# KiCad board polygonus.kicad_pcb (continued)
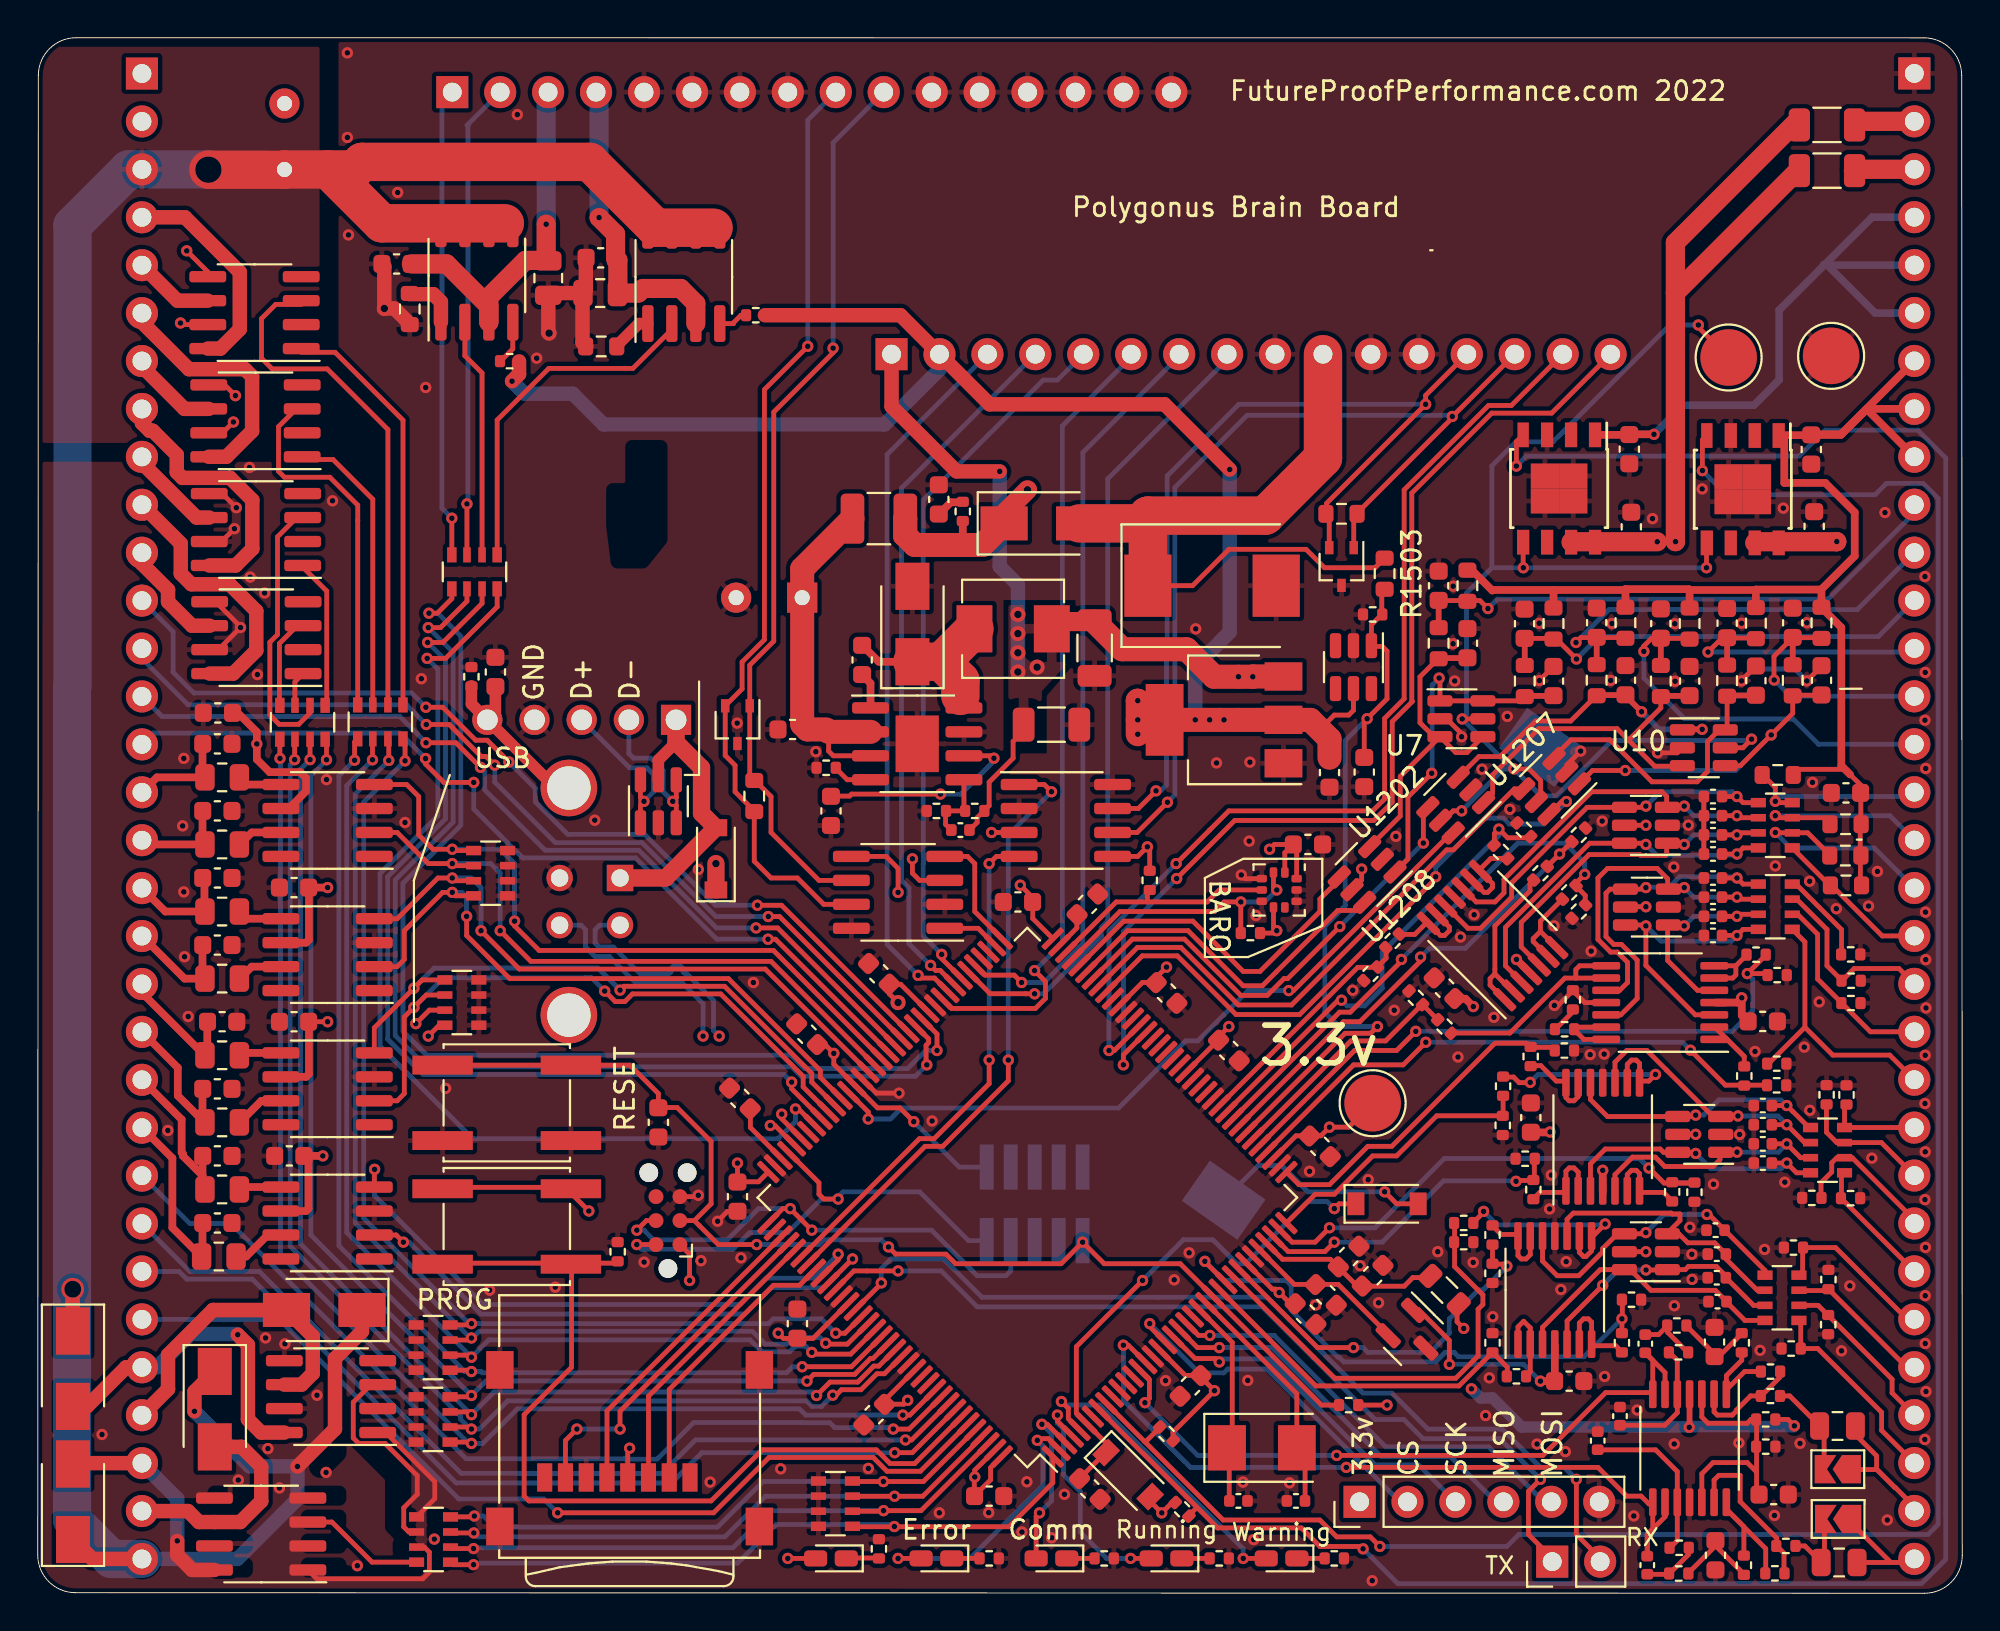
[diagram p0: board, top side]
## Routing (per net, layer and track width the routed paths; a pad name or vN(x,y) marks a point on that pad's centre or on a via; arc(x,y) is an arc through that point) (continued)
/mcu/AV9: length 29.9
  Top w0.254: 91.64,26.93 89.42,26.93 v1(87.57,28.79) ; U1501.40 69.72,28.01 72.35,28.01 v1(73.55,29.21)
  Bottom w0.254: v1(73.55,29.21) 87.15,29.21 v1(87.57,28.79)
/mcu/AV10: length 33.7
  Top w0.254: 91.54,33.85 91.54,33.8 v1(90.58,32.85) 91.6,32.85 91.68,32.77 ; v1(73.02,29.79) 72,28.77 69.78,28.77 U1501.41
  Bottom w0.254: v1(73.02,29.79) 89.78,29.79 90.87,30.87 90.87,32.56 v1(90.58,32.85)
/mcu/AV11: length 13.1
  Top w0.254: 74.2,30.38 73.36,31.22 71.42,29.28 69.58,29.28 U1501.42
/mcu/VDDA: length 9.9
  Top w0.254: U1501.33 65.96,17.7 68.49,17.7 69.92,16.28 72.4,16.28 72.86,16.73 73.88,16.73
GND: length 51.1
  Top w0.254: C1406.2 90.28,48.39 v1(90.28,48.36) ; U1501.94 43.67,27.28 44.44,26.51 v1(45.64,26.51) ; U202.5 9.9,64.05 v1(10.47,63.48) ; v1(85.83,44.55) 86.87,44.55 U10.2 ; U302.7 9.57,50.02 v1(10.74,51.19) 10.74,51.24 9.42,52.56 U302.5 ; U1207.2 81.02,43.91 v1(81.75,44.64) ; v1(10.42,56.43) 9.74,55.75 U301.7 ; U301.5 9.77,58.29 v1(10.52,57.54) ; U202.7 9.79,61.51 v1(10.37,62.09) ; v1(35,21.1) 34.93,21.02 J4.5 ; C1404.2 94.51,49.14 v1(93.74,48.36) ; 37.08,20.24 36.54,20.24 v1(36.02,19.72) ; v1(63.77,38.08) 63.97,37.88 U9.3 ; U201.7 7.65,67.25 v1(7.56,67.33) ; 88.28,42.23 88.28,39.19 ; 84.93,15.56 85.1,15.4 ; v1(80.36,31.16) 80.56,31.16 81.34,31.94 81.97,31.31 83.02,31.31 ; C1408.2 v1(79.56,48.38) ; v1(7.89,71.16) 9.01,70.04 U201.5 ; U7.2 74.65,46.35 75.45,45.56 v1(75.45,45.4)
  Top w0.762: 18.22,70.47 18.36,70.33 v2(18.36,68.1) 18.89,68.1 19.71,67.29 ; 28.86,68.92 28.86,66.29 29.07,66.09 ; 28.86,68.92 29.04,69.1 29.04,70.79 ; 28.86,68.92 27.2,68.92 27.05,68.78 27.05,66.84 v2(27.09,66.79)
  Bottom w0.254: J1502.9 55.36,22.55 ; 51.55,22.59 51.55,22.55 ; J1502.5 52.82,22.55 ; v1(90.28,48.36) 90.91,48.99 93.11,48.99 v1(93.74,48.36)
  vias: v1(3.41,8.42) v1(6.89,24.53) v1(7.68,40.68) v1(7.74,44.26) v1(7.74,37.18) v1(7.78,33.74) v1(7.97,30.57) v1(10.63,6) v1(11.22,59.68) v1(11.26,53.87) v1(11.64,48.7) v1(12.02,53.02) v1(12.07,13.54) v1(12.2,7.67) v1(12.81,5.58) v1(13.1,13.22) v1(14.8,10.5) v1(15.28,6.4) v1(15.3,43.13) v1(15.62,57.91) v1(16.4,81.65) v1(16.4,77.17) v1(16.46,72) v1(16.93,1.46) v1(19.07,74.25) v1(19.46,40.86) v1(20.32,48.48) v1(20.56,63.92) v1(21.01,2.87) v1(21.61,26.76) v1(23.94,16.07) v1(25.41,78.38) v1(26.44,65.47) v1(27.42,16.23) v1(29.51,40.98) v1(32.13,17.56) v1(35,38.36) v1(35.14,17.63) v1(35.63,5.89) v1(37.06,46.13) v1(37.26,17.78) v1(37.92,32.37) v1(39.37,6.6) v1(41.23,44.61) v1(44.01,6.62) v1(47.39,25.03) v1(47.77,4.26) v1(50.39,4.27) v1(52.15,3.25) v1(52.41,5.91) v1(53.72,2.94) v1(54.4,5.25) v1(59.76,11.27) v1(60.22,16.62) v1(61.01,18.05) v1(61.36,51.12) v1(62.46,44.01) v1(63.86,5.89) v1(64.11,11.28) v1(64.23,44.05) v1(64.19,39.87) v1(64.43,2.84) v1(64.55,35.93) v1(66.33,5.85) v1(67.39,22.37) v1(67.71,15.28) v1(69.68,31.96) v1(70.07,17.36) v1(70.49,21.93) v1(70.71,0.67) v1(71.04,15.4) v1(71.87,30.9) v1(71.96,40.12) v1(74.18,18.11) v1(75,53.38) v1(74.99,50.33) v1(75.08,48.36) v1(75.25,28.43) v1(75.38,34.79) v1(76.06,17.54) v1(76.11,35.97) v1(76.52,43.68) v1(76.71,9.42) v1(76.92,11.42) v1(77.16,30.53) v1(77.09,14.66) v1(77.87,46.48) v1(78,41.56) v1(79.44,7.91) v1(79.56,51.42) v1(80.11,20.37) v1(80.2,22.17) v1(80.34,35.38) v1(80.7,16.1) v1(80.94,7.51) v1(80.99,17.58) v1(82.26,28.55) v1(82.31,34.04) v1(82.89,40.93) v1(83,28.58) v1(83.02,11.49) v1(83.34,48.39) v1(83.41,51.4) v1(84.57,4.1) v1(84.75,9.71) v1(85.56,56.96) v1(86.74,51.39) v1(86.76,48.34) v1(86.69,38.5) v1(86.72,15.24) v1(86.71,7.92) v1(87.46,40.71) v1(87.54,19.4) v1(87.64,17.97) v1(87.65,16.64) v1(88.19,58.54) v1(88.79,21.68) v1(90.17,24.32) v1(90.14,7.97) v1(90.28,51.42) v1(90.99,28.72) v1(91.26,12.88) v1(91.5,18.23) v1(92.07,38.55) v1(92.02,4.12) v1(92.49,57.52) v1(92.57,21.79) v1(93.38,7.94) v1(93.6,28.95) v1(93.74,51.44) v1(93.89,37.74) v1(93.9,25.6) v1(94.04,42.98) v1(94.39,31.35) v1(95.3,36.29) v1(95.57,12.85) v1(96.02,16.3) v1(97.01,36.43) v1(97.18,23.06) v1(97.48,38.26) v1(97.88,57.29) v1(98,3.88) v1(100,53.89) v1(100.01,48.81) v1(100,46.28) v1(100.04,43.72) v1(100.02,36.11) v1(100.04,33.59) v1(100.05,31.03) v1(100.01,28.52) v1(100,25.96) v1(100.01,23.4) v1(100,20.87) v1(100.02,18.33) v1(100.01,15.77) v1(100.01,13.24) v1(100.05,10.69) v1(99.99,8.15)
/AT1: length 8.4
  Top w0.254: J3.19 97.74,34.84 95.06,37.52 94.95,37.52 RN1101.1
/AT2: length 12
  Top w0.254: v1(92.07,40.33) 92.09,40.31 RN1101.2 93.79,40.31 94.99,39.1
  Bottom w0.254: J3.18 97.31,39.51 92.89,39.51 v1(92.07,40.33)
/AT3: length 11
  Top w0.254: v1(92.07,41.22) 92.18,41.11 RN1101.3 94.66,41.11 95,40.77
  Bottom w0.254: v1(92.07,41.22) 98.14,41.22 J3.17
/AT4: length 10.2
  Top w0.254: RN1101.4 92.14,41.91 v1(92.07,41.98) 92.07,42.72 91.41,43.38
  Bottom w0.254: J3.16 99.2,42.23 92.32,42.23 v1(92.07,41.98)
/CAN2+: length 49.9
  Top w0.254: v1(40.8,66.1) 38.5,63.8 38.5,50.55 37.32,49.36 37.32,47.94 D2.2 36.43,44.41 36.95,43.88 36.95,42.49 37.97,41.47 37.97,38.8 38.85,37.92 40.25,37.92 41.65,36.52 U6.7
  Bottom w0.254: J7.9 40.8,78.09 v1(40.8,66.1)
/CAN2-: length 48
  Top w0.254: 43.11,37.79 41.39,37.79 38.85,40.33 38.85,42.23 38.04,43.05 37.97,43.05 37.73,43.29 D2.1 37.73,49.2 39,50.47 39,62.61 42.14,65.76 v1(42.14,66)
  Bottom w0.254: v1(42.14,66) 42.14,76.89 J7.10
/CAN+: length 48.4
  Top w0.254: J6.13 73.54,63.5 v1(73.54,63.02) 68.29,57.78 68.29,57.22 68.43,57.08 D1.2 ; v1(59.25,42.54) 58.32,41.6 U904.7
  Bottom w0.254: v1(73.54,63.02) 63.64,63.02 59.84,59.23 59.84,50.26 59.81,50.23 59.81,42.85 59.5,42.54 v1(59.25,42.54)
/CAN-: length 50.5
  Top w0.254: v1(59.86,41.93) 58.25,40.33 U904.6 ; J6.14 74.96,62.38 v1(74.95,62.38) 74.95,62.3 69.73,57.08 69.73,55.43
  Bottom w0.254: v1(74.95,62.38) 74.89,62.44 64.08,62.44 60.25,58.61 60.25,42.32 v1(59.86,41.93)
/DIGITAL_1: length 21.5
  Top w0.254: 87.53,50.62 85.51,50.62 85.1,50.21 v1(85.1,49.93)
  Top w0.305: 86,49.14 86,50.62
  Bottom w0.254: v1(85.1,49.93) 85.1,48.52 87.24,46.37 88.43,46.37 88.46,46.34 93.01,46.34 94.35,45 J3.15
/DIGITAL_2: length 13.4
  Top w0.254: 94.51,50.65 92.99,50.65 92,49.66 92,48.42 v1(92.01,48.41)
  Top w0.305: 92.99,50.65 92.99,49.18
  Bottom w0.254: v1(92.01,48.41) 92.87,47.54 J3.14
/DIGITAL_3: length 15.3
  Top w0.254: v1(88.5,49.89) 89.25,50.64 91.04,50.64
  Top w0.305: 89.51,49.16 89.51,50.64
  Bottom w0.254: J3.13 99.24,49.89 v1(88.5,49.89)
/DIGITAL_4: length 23.8
  Top w0.254: v1(81.53,49.52) 80.44,50.62 78.79,50.62 78.78,50.61
  Top w0.305: 78.79,49.14 78.79,50.6 78.78,50.61
  Bottom w0.254: J3.12 97.52,50.71 95.52,50.71 ; v1(81.53,49.52) 82.73,50.72 95.49,50.72
/DIGITAL_5: length 24.1
  Top w0.254: v1(81.51,50.4) 81.77,50.66 84.13,50.66
  Top w0.305: 82.6,50.66 82.6,49.19
  Bottom w0.254: J3.11 96.41,52.14 83.25,52.14 v1(81.51,50.4)
/DIGITAL_6: length 29.4
  Top w0.254: 74.23,52.62 76.42,52.62 v1(76.84,52.2)
  Top w0.305: 74.23,51.15 74.23,52.62
  Bottom w0.254: v1(76.84,52.2) 77.34,52.7 94.86,52.7 99.43,57.27 J3.10
/ETB1_DIR: length 37.9
  Top w0.254: U1501.79 47.9,33.65 v1(47.9,33.87)
  Bottom w0.254: v1(47.9,33.87) 46.92,34.84 46.92,38.69 46.93,38.69 46.93,39.17 46.92,39.18 46.92,57.95 53.28,64.31 54.02,64.31 ; 54.03,64.32 J6.5
/ETB1_DIS: length 37.7
  Top w0.254: U1501.80 47.82,33.02 47.57,33.02 v1(47.31,33.29)
  Bottom w0.254: J6.4 45.77,58.59 45.77,37.73 45.82,37.73 46.16,37.39 46.16,36.91 46.16,36.91 46.16,34.43 v1(47.31,33.29)
/ETB1_PWM: length 37.8
  Top w0.254: v1(46.64,32.75) 46.79,32.61 47.51,32.61 U1501.81
  Bottom w0.254: J6.3 45.01,60.37 45.01,34.39 v1(46.64,32.75)
/ETB2_DIR: length 42.4
  Top w0.254: U1501.78 50.47,31.78 52.35,31.78 52.36,31.77 v1(52.82,31.77)
  Bottom w0.254: J6.8 63.02,65.4 56.69,59.07 56.69,35.63 56.36,35.29 56.36,34.83 53.3,31.77 v1(52.82,31.77)
/ETB2_DIS: length 40.3
  Top w0.254: v1(52.13,32.38) 51.74,32.77 50.19,32.77 U1501.77
  Bottom w0.254: v1(52.13,32.38) 53.32,32.38 55.38,34.43 55.38,60.47 60.48,65.57 J6.7
/ETB2_PWM: length 42.4
  Top w0.254: v1(52.82,33.01) 53.4,32.43 53.4,31.53 52.86,31 48.42,31 U1501.82
  Bottom w0.254: v1(52.82,33.01) 54.29,34.48 54.29,61.88 57.94,65.53 J6.6
/highside_quad/IN1: length 54.3
  Top w0.254: RN1301.4 24.34,52.29 21.61,49.56 v3(20.63,49.56) ; v1(40.15,25.67) 40.31,25.67 U1501.101
  Bottom w0.254: v3(20.63,49.56) 21.2,48.99 21.2,41.21 18.13,38.15 18.13,29.01 23.04,24.1 39.24,24.1 40.15,25.01 v1(40.15,25.67)
/highside_quad/IN2: length 52.1
  Top w0.254: v3(20.66,50.4) 21.47,50.4 23.54,52.47 RN1301.3 ; v1(39.95,27.09) 39.95,26.74 U1501.100
  Bottom w0.254: v1(39.95,27.09) 39.54,27.5 20.41,27.5 18.54,29.38 18.54,37.98 21.6,41.05 21.6,49.46 v3(20.66,50.4)
/highside_quad/IN3: length 58.5
  Top w0.254: v3(20.69,51.19) 21.34,51.19 22.74,52.59 RN1301.2 ; U1501.86 47.2,29.39 47.2,29.18 47.07,29.05 47.07,28.05 v1(47.11,28.01)
  Bottom w0.254: v1(47.11,28.01) 46.5,27.4 40.45,27.4 39.95,27.91 20.59,27.91 18.95,29.55 18.95,37.82 22.01,40.88 22.01,49.87 v3(20.69,51.19)
/highside_quad/IN4: length 58
  Top w0.254: v3(20.73,51.95) 21.17,51.95 21.94,52.72 RN1301.1 ; v1(47.65,28.77) 47.65,29.65 U1501.85
  Bottom w0.254: v3(20.73,51.95) 21.2,51.95 22.42,50.73 22.42,40.71 19.35,37.65 19.35,29.78 20.62,28.52 39.92,28.52 40.62,27.81 46.09,27.81 47.05,28.77 v1(47.65,28.77)
/HS1: length 16.8
  Top w1.012: v1(29.74,72.92) 30.62,72.05 30.62,70.79 30.74,70.67 30.74,68.92 31.83,68.92 32.07,69.16 34.07,69.16 34.87,68.36 U1102.3
  Bottom w1.012: v1(29.74,72.92) 29.74,79.41 J7.4
/HS2: length 20.2
  Top w1.016: v1(26.94,72.57) 26.94,70.76 27.05,70.65 25.84,70.65 23.9,68.71 U1103.3 23.9,68.23 21.66,70.47 19.8,70.47
  Bottom w1.016: J7.3 26.94,79.47 v1(26.94,72.57)
/HS3: length 25.3
  Top w0.254: RN1301.7 v1(22.74,57.74)
  Bottom w0.254: v1(22.74,57.74) 22.8,57.8 22.8,77.79 22.76,77.83 ; 22.74,77.81 J7.2
/HS4: length 25
  Top w0.254: RN1301.8 v1(21.94,56.99)
  Bottom w0.254: v1(21.94,56.99) 21.42,57.51 21.42,79.03 J7.1
/IGN1: length 9.9
  Top w0.406: 8.73,19.63 8.73,17.92 8.66,17.85 7.13,19.37 7.13,23.07 J5.23
/ign1/IN1: length 42.7
  Top w0.254: v1(19.37,18.61) 18.99,18.99 U1602.2 ; RN1601.8 21.27,30.11 v1(20.69,29.53) ; v1(43.17,17.72) 43.17,17.72 U1501.118
  In2.Cu w0.254: v1(19.37,18.61) 19.37,28.21 v1(20.69,29.53)
  Bottom w0.254: v1(19.37,18.61) 19.68,18.61 23.49,14.8 37.46,14.8 38.85,16.2 41.65,16.2 v1(43.17,17.72)
/ign1/IN2: length 42.8
  Top w0.254: v1(17.85,22.47) 17.83,22.46 U1602.4 ; v1(20.03,30.19) 20.75,30.91 RN1601.7 ; U1501.117 42.41,17.67 v1(42.41,17.98)
  In2.Cu w0.254: v1(20.03,30.19) 18.97,29.13 18.97,22.93 18.51,22.47 v1(17.85,22.47)
  Bottom w0.254: v1(17.85,22.47) 17.85,21.08 23.61,15.31 37.2,15.31 38.6,16.71 41.14,16.71 v1(42.41,17.98)
/ign1/IN3: length 34.7
  Top w0.254: 17.83,26.1 19.04,26.1 19.42,26.49 19.42,30.55 v1(19.93,31.06) 20.59,31.71 RN1601.6 ; U1501.99 40.56,26.84 40.56,27.4 36.19,31.77 31.51,31.77 31.11,31.36 30.6,31.36 v1(30.04,31.92)
  Bottom w0.254: v1(19.93,31.06) 21.51,32.63 29.33,32.63 v1(30.04,31.92)
/ign1/IN4: length 32.3
  Top w0.254: RN1601.5 20.37,32.51 v1(19.93,32.07) 17.83,29.98 U1603.4 ; v1(30.85,31.97) 31.06,32.17 36.39,32.17 41.01,27.55 41.01,27.09 U1501.98
  Bottom w0.254: v1(30.85,31.97) 29.68,33.14 21,33.14 v1(19.93,32.07)
/IGN2: length 8.2
  Top w0.406: J5.22 7.62,25.11 7.62,23.36 7.69,23.3 7.69,23.18 8.73,22.14 ; 8.73,23.18 8.73,22.14 ; 8.73,22.14 8.73,21.51 8.83,21.41
/ign2/IN1: length 34.4
  Top w0.254: RN1701.8 22.15,36.97 v1(21.96,37.15) 21.46,37.15 19.42,35.12 19.42,33.6 19.04,33.22 U1701.2 ; v1(22.73,35.88) 22.73,34.87 25.01,32.58 36.59,32.58 41.47,27.7 41.47,27.34 U1501.97
  Bottom w0.254: v1(21.96,37.15) 22.47,37.15 22.73,36.9 v1(22.73,35.88)
/ign2/IN2: length 33.9
  Top w0.254: 17.83,35.76 19.04,35.76 21.2,37.92 v1(21.96,37.92) 22.11,37.77 RN1701.7 ; v1(23.49,35.12) 25.52,33.09 38.55,33.09 U1501.93
  Bottom w0.254: v1(21.96,37.92) 22.98,37.92 23.49,37.41 v1(23.49,35.12)
/ign2/IN3: length 34.6
  Top w0.254: RN1701.6 22.07,38.57 v1(21.96,38.68) 20.69,38.68 19.04,40.33 U1702.2 ; v1(24.5,35.12) 26.13,33.5 38.85,33.5 U1501.92
  Bottom w0.254: v1(24.5,35.12) 24.5,38.17 24,38.68 v1(21.96,38.68)
/ign2/IN4: length 37.2
  Top w0.254: v1(25.27,35.63) 25.27,35.38 26.57,34.08 38.98,34.08 U1501.91 ; RN1701.5 22.03,39.37 v1(21.96,39.44) 20.95,39.44 20.19,40.2 20.19,42.23 19.55,42.87 U1702.4
  Bottom w0.254: v1(25.27,35.63) 25.27,38.68 24.5,39.44 v1(21.96,39.44)
/IGN3: length 8
  Top w0.406: J5.21 7.42,27.86 7.42,26.38 8.83,24.96 8.73,25.07 8.73,26.74
/IGN4: length 7
  Top w0.406: 8.98,30.3 8.98,28.67 8.83,28.52 5.52,31.83 J5.20
/IGN5: length 6.1
  Top w0.406: J5.19 7.78,32.58 8.83,32.58 8.73,32.69 8.73,34.36
/IGN6: length 5.6
  Top w0.406: 8.73,37.92 8.83,37.81 8.83,36.14 6.76,36.14 J5.18
/IGN7: length 5.2
  Top w0.406: 8.73,41.47 8.73,39.8 8.83,39.69 5.75,39.69 J5.17
/IGN8: length 5.5
  Top w0.406: J5.16 6.31,43.25 8.83,43.25 8.73,43.35 8.73,45.03
/IGN9: length 47.8
  Top w0.254: v1(20.55,44.25) 20.55,43.96 21.52,42.98 v1(23.1,42.98) ; U1501.90 39.09,34.67 v1(38.69,34.67)
  Bottom w0.254: v1(23.1,42.98) 23.1,41.57 25.69,38.98 31.68,38.98 35.99,34.67 v1(38.69,34.67) ; v1(20.55,44.25) 19.2,45.6 6.12,45.6 J5.15
/IGN10: length 48.1
  Top w0.254: v1(23.46,43.78) 22.16,45.08 v1(20.57,45.08) ; v1(38.06,35.27) 39.2,35.27 U1501.89
  Bottom w0.254: v1(23.46,43.78) 23.68,43.56 23.68,42.59 26.89,39.39 31.84,39.39 35.96,35.27 v1(38.06,35.27) ; v1(20.57,45.08) 19.18,46.48 6.58,46.48 J5.14
/IGN11: length 49.7
  Top w0.254: v1(38.71,35.87) 39.3,35.87 U1501.88 ; v1(24.21,43.9) 23.75,44.36 23.49,44.36 21.8,46.05 v1(20.59,46.05)
  Bottom w0.254: v1(20.59,46.05) 19.54,47.1 7.96,47.1 5.52,49.54 J5.13 ; v1(38.71,35.87) 35.93,35.87 32.01,39.79 27.42,39.79 24.21,43 v1(24.21,43.9)
/IGN12: length 51.8
  Top w0.254: v1(24.97,44.07) 23.81,45.22 23.21,45.22 21.46,46.97 v1(20.57,46.97) ; U1501.87 46.13,29.75 39.41,36.47 v1(38.13,36.47)
  Bottom w0.254: v1(38.13,36.47) 35.91,36.47 32.15,40.23 28.09,40.23 26.36,41.95 26.36,42.67 v1(24.97,44.07) ; J5.12 7.17,50.97 7.17,48.82 8.28,47.72 19.81,47.72 v1(20.57,46.97)
/knock/FILTERED_1: length 36.3
  Top w0.254: U1501.14 58.9,11.32 58.9,10.34 v1(58.67,10.1) ; v1(68.83,7.31) 79.75,7.31 83.08,10.64 85.57,10.64 85.57,12.35 85.18,12.74 86.22,11.7 86.22,10.64
  Bottom w0.254: v1(68.83,7.31) 61.46,7.31 v1(58.67,10.1)
/knock/FILTERED_2: length 40.9
  Top w0.254: U1501.15 57.78,13.15 v1(57.52,13.15) ; v1(69.33,6.67) 82.67,6.67 84.19,5.15 84.96,5.15 85.37,4.74 85.57,4.74 85.57,3.42 85.28,3.13 85.28,1.98 85.28,3.11 86.22,4.06 86.22,4.74
  Bottom w0.254: v1(57.52,13.15) 57.52,10.23 61.08,6.67 v1(69.33,6.67)
/knock/V_mid: length 13.4
  Top w0.254: 91.07,6.43 91.07,7.77 91.07,9.21 90.78,9.21 90.58,9.01 88.5,9.01 88.17,9.34 88.17,10.64 ; 91.07,6.43 90.58,6.93 88.77,6.93 88.17,6.34 88.17,4.74 ; 91.07,6.43 91.07,5.35 91.19,5.23
/KNOCK_1: length 8.5
  Top w0.254: 98.41,5.6 97.45,6.56 96.12,6.56 JP1.1 ; 98.41,5.6 97.43,6.58 97.43,7.29 96.3,8.42 96.3,8.87 ; 98.41,5.6 98.43,5.6 99.43,4.6 J3.31
/KNOCK_2: length 6.3
  Top w0.254: 96.38,1.63 98.19,1.63 ; 98.19,1.63 96.12,3.7 JP2.1 ; 98.19,1.63 99.24,1.63 J3.32
/lowside_quad1/IN1: length 57
  Top w0.254: v1(22.98,14.29) 22.91,14.22 RN202.8 ; v1(19.46,44.12) 19.46,45.18 RN201.4 ; U1501.123 42.77,13.79 v1(42.28,13.79)
  Bottom w0.254: v1(42.28,13.79) 41.52,14.55 38.98,14.55 38.73,14.29 v1(22.98,14.29) 22.86,14.29 17.27,19.88 17.27,41.93 v1(19.46,44.12)
/lowside_quad1/IN2: length 58.5
  Top w0.254: v1(41.75,13.25) 41.8,13.21 42.9,13.21 U1501.124 ; RN201.3 18.6,45.24 v1(18.6,44.15) ; RN202.7 22.87,13.42 v1(22.98,13.53)
  Bottom w0.254: v1(18.6,44.15) 17.89,43.44 17.89,43.42 16.83,42.36 16.83,19.63 22.92,13.53 v1(22.98,13.53) 23.04,13.53 23.39,13.89 37.86,13.89 38.54,13.21 39.67,13.21 40.02,13.55 41.45,13.55 v1(41.75,13.25)
/lowside_quad1/IN3: length 60.1
  Top w0.254: v1(41.01,12.77) 41.11,12.67 43.07,12.67 U1501.125 ; v1(22.98,12.52) 22.87,12.62 RN202.6 ; RN201.2 17.74,45.27 v1(17.74,44.18)
  Bottom w0.254: v1(17.74,44.18) 16.38,42.82 16.38,19.12 v1(22.98,12.52) 23.9,13.43 37.74,13.43 38.38,12.8 39.84,12.8 40.13,13.09 40.69,13.09 v1(41.01,12.77)
/lowside_quad1/IN4: length 60.8
  Top w0.254: U1501.126 43.11,12.01 v1(40.51,12.01) ; v1(16.79,44.16) 16.79,45.12 RN201.1 ; RN202.5 22.91,11.82 v1(22.98,11.75)
  Bottom w0.254: v1(16.79,44.16) 15.96,43.33 15.96,18.42 22.63,11.75 v1(22.98,11.75) 23.49,11.75 23.55,11.69 39.68,11.69 40,12.01 v1(40.51,12.01)
/lowside_quad2/IN1: length 63.1
  Top w0.254: v1(40.76,11.25) 41.11,11.6 43.28,11.6 44.13,12.45 44.26,12.45 U1501.127 ; RN301.4 15.3,45.2 v1(15.3,44.18) ; RN302.8 22.91,10.41 v1(22.98,10.48)
  Bottom w0.254: v1(40.76,11.25) 40.75,11.26 23.75,11.26 v1(22.98,10.48) 14.48,18.99 14.48,43.34 15.3,44.16 v1(15.3,44.18)
/lowside_quad2/IN2: length 65
  Top w0.254: v1(14.43,44.19) 14.43,45.27 RN301.3 ; v1(22.98,9.47) 22.83,9.61 RN302.7 ; U1501.128 44.56,12.04 44.3,12.04 43.45,11.19 41.98,11.19 v1(41.27,10.48)
  Bottom w0.254: v1(14.43,44.19) 14.43,44.18 13.92,43.67 13.92,18.53 v1(22.98,9.47) 24.18,10.67 41.08,10.67 v1(41.27,10.48)
/lowside_quad2/IN3: length 66.5
  Top w0.254: v1(22.98,8.71) 22.87,8.81 RN302.6 ; v1(42.12,10.5) 42.3,10.5 42.59,10.79 43.62,10.79 44.46,11.64 44.86,11.64 U1501.129 ; v1(13.61,44.19) 13.61,45.25 RN301.2
  Bottom w0.254: v1(42.12,10.5) 41.53,9.9 41.03,9.9 40.74,10.2 24.89,10.2 23.4,8.71 v1(22.98,8.71) 22.92,8.71 22.4,9.23 22.4,9.38 18.93,12.86 18.91,12.86 18.91,12.87 13.38,18.4 13.38,43.9 13.61,44.14 v1(13.61,44.19)
/lowside_quad2/IN4: length 68.8
  Top w0.254: RN302.5 22.91,8.01 v1(22.98,7.94) ; U1501.134 46.21,9.44 v1(45.84,9.44) ; RN301.1 12.83,44.26 v1(12.83,44.25)
  Bottom w0.254: v1(45.84,9.44) 40.69,9.44 40.36,9.77 25.41,9.77 23.58,7.94 v1(22.98,7.94) 22.84,7.94 18.19,12.6 18.19,12.61 12.86,17.93 12.86,44.23 v1(12.83,44.25)
/lowside_quad4/IN1: length 31.8
  Top w0.254: U1501.140 46.93,5.92 v1(44.81,5.92) 43.19,5.92 RN502.8 ; v1(23.13,4.09) 23.09,4.05 RN501.4
  Bottom w0.254: v1(23.13,4.09) 23.62,4.09 24.21,3.51 36.01,3.51 38.43,5.92 v1(44.81,5.92)
/lowside_quad4/IN2: length 32.7
  Top w0.254: U1501.141 50.02,8.27 46.89,5.14 v1(45.4,5.14) 43.17,5.14 RN502.7 ; v1(23.11,3.2) 21.92,3.2 RN501.3
  Bottom w0.254: v1(23.11,3.2) 23.31,2.99 36.41,2.99 38.56,5.14 v1(45.4,5.14)
/lowside_quad4/IN3: length 32.5
  Top w0.254: RN502.6 44.79,4.35 v1(44.82,4.38) 46.8,4.38 U1501.142 ; RN501.2 21.95,2.37 v1(23.09,2.37)
  Bottom w0.254: v1(23.09,2.37) 23.14,2.42 36.84,2.42 38.8,4.38 v1(44.82,4.38)
/lowside_quad4/IN4: length 37.5
  Top w0.254: U1501.1 53.79,5.86 51.45,3.53 45.4,3.53 v1(45.39,3.54) 45.38,3.53 43.19,3.53 RN502.5 ; v1(23.09,1.51) 22.01,1.51 RN501.1
  Bottom w0.254: v1(45.39,3.54) 45.28,3.64 39.13,3.64 37.08,1.6 23.18,1.6 v1(23.09,1.51)
/LS1: length 11.5
  Top w0.762: J5.4 7.8,72.94 10.71,70.03 10.71,67 9.68,65.98 U201.8
/LS2: length 4.3
  Top w0.762: U201.6 7.4,68.52 J5.5
/LS3: length 13.3
  Top w0.762: U202.8 9.99,60.24 11.36,61.61 11.36,64.5 10.97,64.89 8.01,64.89 5.52,67.37 J5.6
/LS4: length 4.8
  Top w0.762: J5.7 5.52,65.03 7.77,62.78 U202.6
/LS5: length 14.1
  Top w0.762: J5.8 5.52,62.03 5.93,61.62 6.09,61.62 7.37,60.35 7.37,59.42 7.67,59.12 10.19,59.12 11.37,57.95 11.37,55.36 10.49,54.48 U301.8
/LS6: length 5.1
  Top w0.762: U301.6 8.42,57.02 5.33,60.11 5.33,60.19
/LS7: length 14.4
  Top w0.762: J5.10 7.58,55.64 7.58,54.05 8.14,53.49 10.16,53.49 11.58,52.07 11.58,49.97 10.35,48.75 U302.8
/LS8: length 5.9
  Top w0.762: J5.11 5.52,54.57 6.9,53.19 6.9,52.56 8.17,51.29 U302.6
/LS9: length 50.3
  Top w0.254: v1(45.33,8.71) 46.17,8.71 U1501.135
  Bottom w0.254: v1(45.33,8.71) 45.25,8.78 42.23,8.78 41.97,9.04 40.52,9.04 40.51,9.05 34.75,9.05 32.81,7.11 31.12,7.11 31.1,7.13 22.7,7.13 10.23,19.6 8.06,19.6 J5.24
/LS10: length 49.8
  Top w0.254: v1(45.98,8.13) 46.3,8.13 U1501.136
  Bottom w0.254: J5.25 8.06,17.06 11.74,17.06 22.45,6.35 33.07,6.35 34.85,8.13 v1(45.98,8.13)
/LS11: length 49.3
  Top w0.254: U1501.137 46.33,7.45 v1(45.41,7.45)
  Bottom w0.254: J5.26 7.49,17.06 7.89,16.65 11.37,16.65 22.17,5.85 33.58,5.85 35.19,7.45 v1(45.41,7.45)
/LS12: length 50.6
  Top w0.254: v1(27.55,4.26) 35.81,4.26 38.74,7.2 44.27,7.2 45,6.47 46.76,6.47 U1501.139
  Bottom w0.254: v1(27.55,4.26) 26.82,5 22.31,5 12.79,14.52 J5.27
/LS13: length 17.3
  Top w0.762: U501.8 11.84,8.52 11.14,9.22 11.14,13.16 v1(10.6,13.7) ; D103.2 2.61,9.91 4.68,11.98 J5.28
  Bottom w0.762: v1(10.6,13.7) 10.56,13.74 8.08,13.74 6.31,11.98 J5.28
/LS14: length 16.7
  Top w0.762: U501.6 13.98,11.06 14.57,11.66 14.57,13.62 D101.2 9.28,15.02 6.9,12.64 6.9,10.82 J5.29
/LS15: length 11.6
  Top w0.762: U502.8 8.18,1.24 7.39,2.02 v1(7.39,2.78) ; D104.2 1.92,6.9 J5.30
  Bottom w0.762: J5.30 5.52,6.89 7.39,5.02 v1(7.39,2.78)
/LS16: length 11.7
  Top w0.762: D102.2 10.79,7.76 11.84,6.71 11.84,4.88 10.74,3.78 U502.6 8.54,3.78 7.96,4.36 J5.31
/mcu/AT1: length 24.9
  Top w0.254: 79.96,38.51 v1(80.64,39.19) 81.31,39.86 ; U1501.44 69.18,30.3 70.05,30.3 73.27,33.51 v1(73.27,33.72)
  Bottom w0.254: v1(73.27,33.72) 73.73,34.19 75.64,34.19 v1(80.64,39.19)
/mcu/AT2: length 27.8
  Top w0.254: v1(81.97,38.11) 81.49,37.63 81.49,37.5 82,36.99 82,36.48 ; U1501.45 68.98,30.8 69.55,30.8 72.26,33.51 v1(72.26,33.6)
  Bottom w0.254: v1(72.26,33.6) 78.42,39.76 80.92,39.76 81.97,38.71 v1(81.97,38.11)
/mcu/AT3: length 24.9
  Top w0.254: v1(69.08,31.44) 68.91,31.44 U1501.46 ; 77.18,39.64 77.18,40.27 v1(77.42,40.51) 77.88,40.04 78.93,40.04
  Bottom w0.254: v1(77.42,40.51) 77.42,40.16 71.24,33.98 71.24,32.07 70.3,31.14 69.38,31.14 v1(69.08,31.44)
/mcu/AT4: length 12.6
  Top w0.254: 71.44,34.24 71.44,33.66 70.96,33.18 69.94,33.18 U1501.47
/mcu/AUX_SPI_CS: length 19.1
  Top w0.254: U1501.18 58.92,14.13 v1(58.92,14.29)
  Bottom w0.254: v1(58.92,14.29) 61.53,11.68 62.84,11.68 63.05,11.89 65.14,11.89 72.18,4.85 J1505.2
/mcu/AUX_SPI_MISO: length 20.9
  Top w0.254: U1501.20 61.45,13.02 v1(62.6,13.02)
  Bottom w0.254: J1505.4 77.26,4.85 74.85,7.25 71.17,7.25 65.4,13.02 v1(62.6,13.02)
/mcu/AUX_SPI_MOSI: length 23.3
  Top w0.254: U1501.21 61.51,13.67 v1(62.1,13.67)
  Bottom w0.254: J1505.5 79.8,4.85 76.88,7.76 71.42,7.76 65.52,13.67 v1(62.1,13.67)
/mcu/AUX_SPI_SCK: length 18.7
  Top w0.254: v1(62.6,12.26) 62.42,12.44 61.32,12.44 U1501.19
  Bottom w0.254: v1(62.6,12.26) 62.76,12.42 65.24,12.42 70.85,6.81 73.16,6.81 J1505.3
/mcu/BARO_SCL: length 14.9
  Top w0.254: U9.2 65.48,37.45 v1(65.65,37.28) ; 63.75,35.02 v1(63.75,36.65) 62.86,36.65 62.35,36.14 57.34,36.14 U1501.69
  Bottom w0.254: v1(63.75,36.65) 65.02,36.65 v1(65.65,37.28)